# Altium PCB PCB1.PcbDoc (part 4 of 5) (continued)
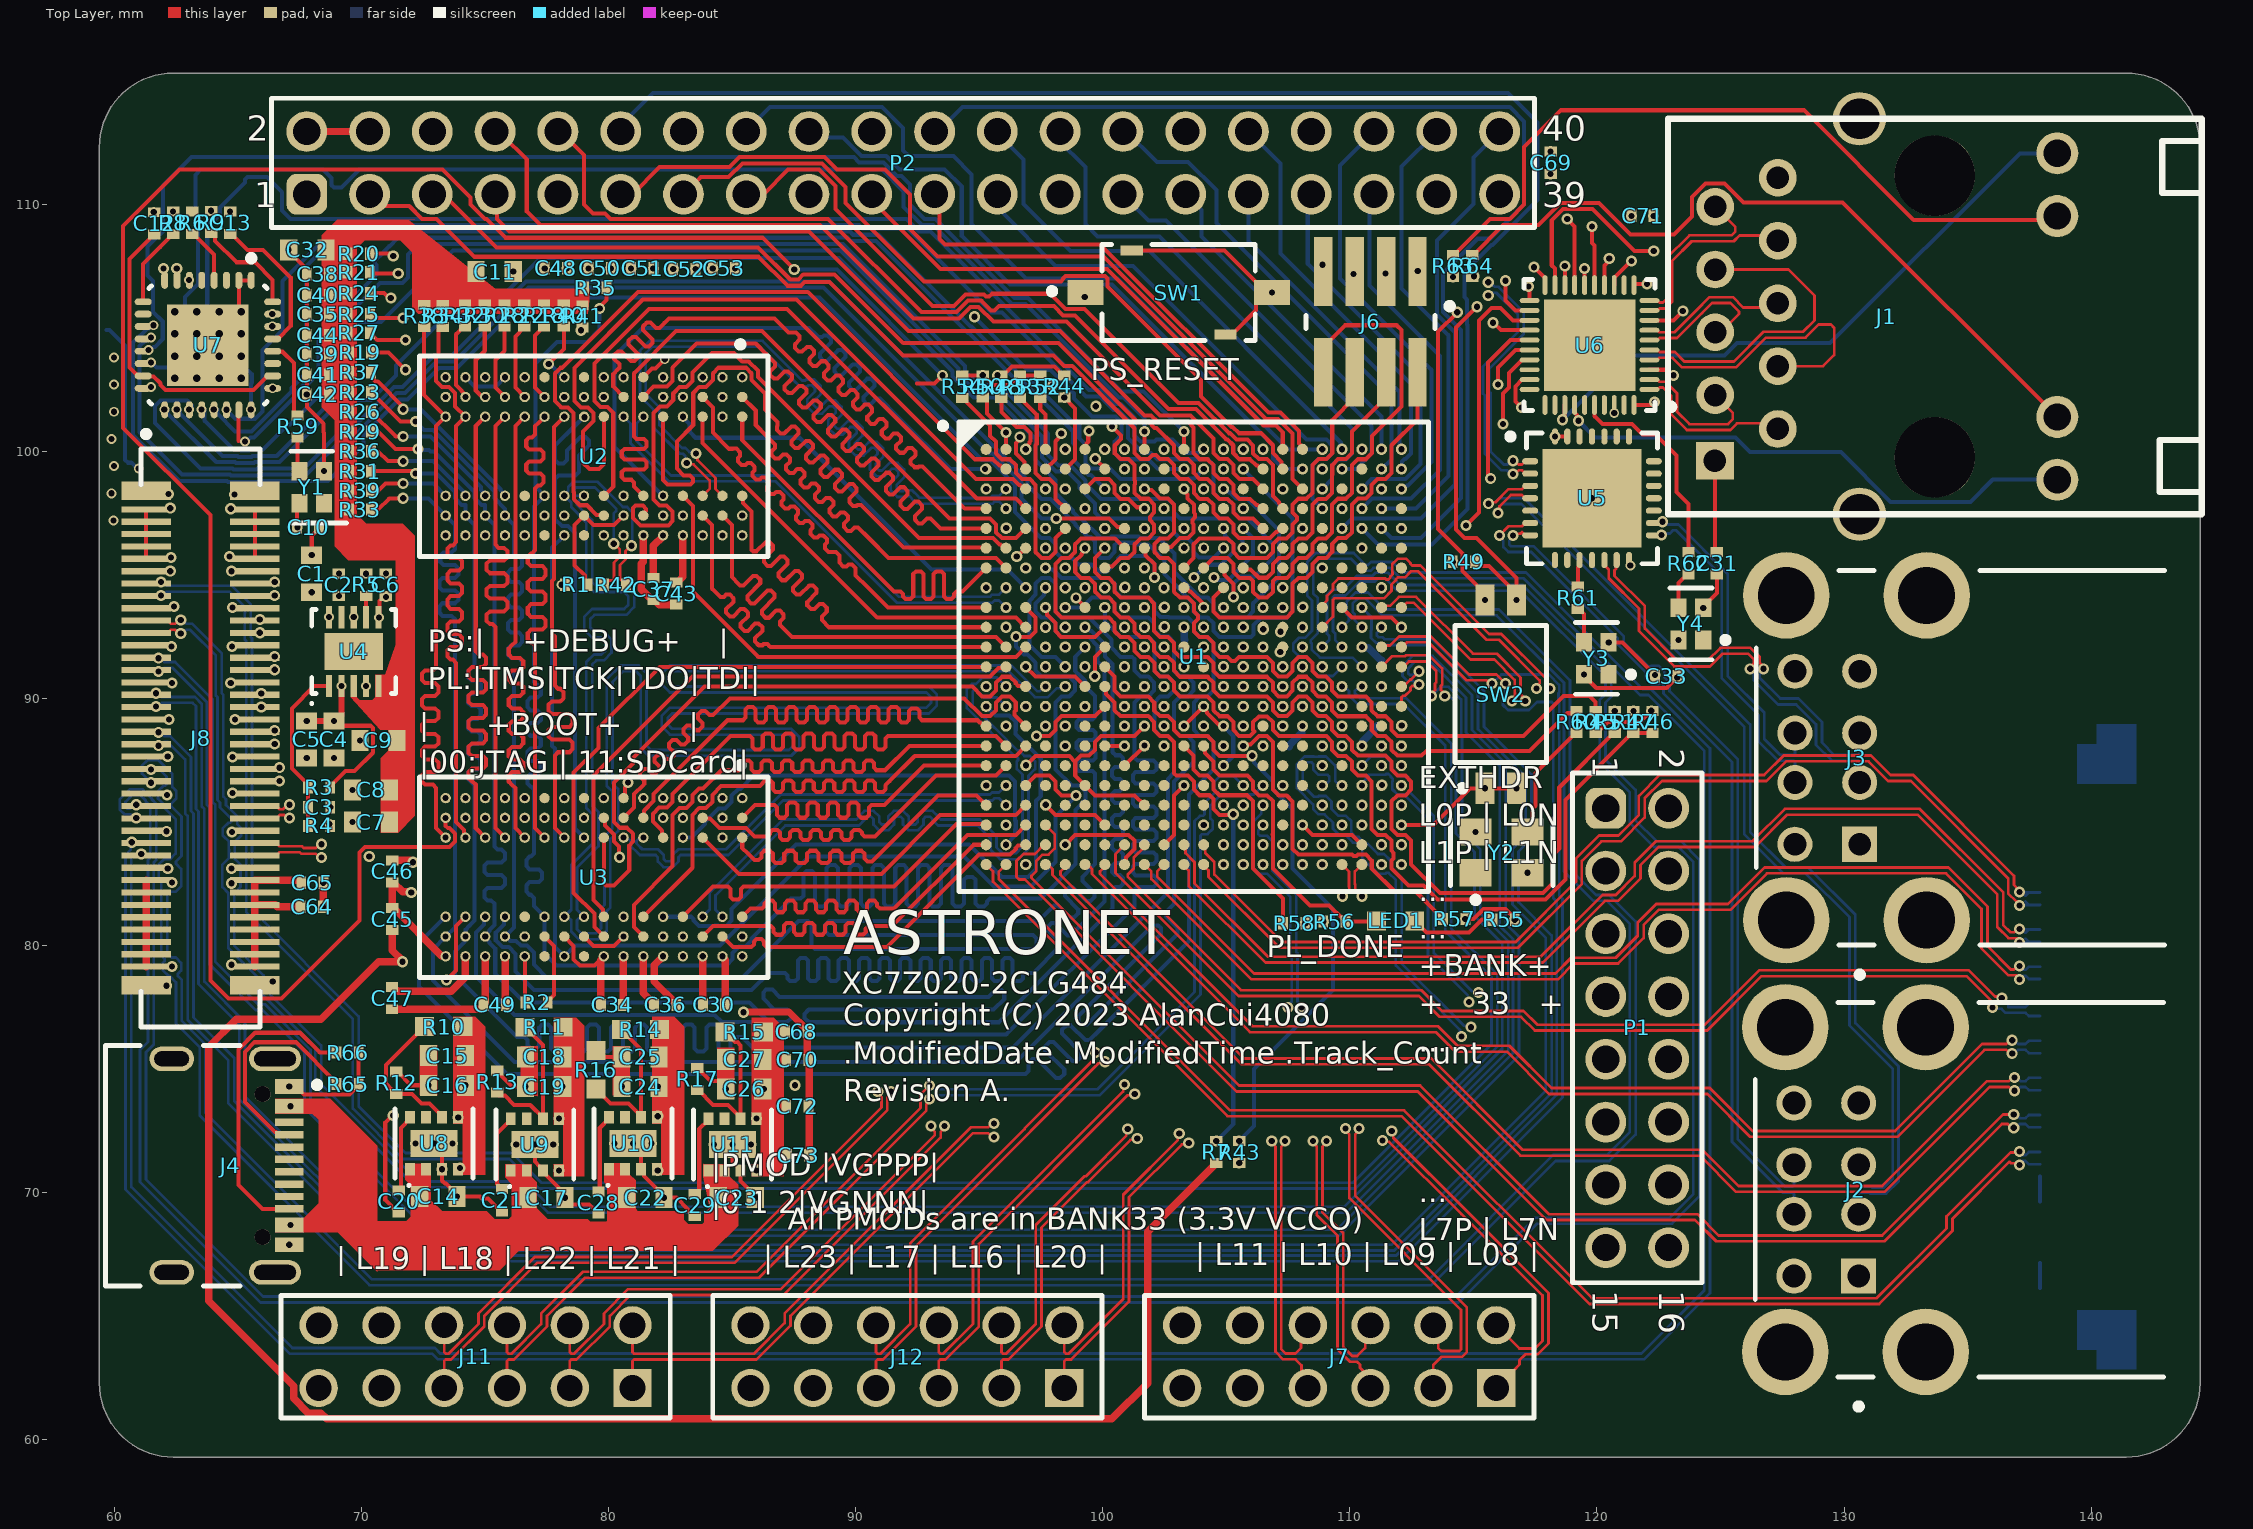
[diagram p0: Top Layer view]
## Nets (pads, with @x,y where several pads share a name; then routed paths per layer and width w, separated by ;. In a path a pad name is that pad's centre, name@x,y a point inside that pad or via, vN(x,y) a via of type N, cw(c..) or ccw(c..) an arc to the next point about the centre after c; other vN are vias at no path point) (continued)
  Top Layer w0.11: U1.AB1@95.288,83.281 95.563,83.006 95.563,82.587 105.05,73.1 112.1,73.1 119.7,65.5 131.42,65.5 134.384,68.464 134.384,68.949 136.693,71.259 136.757,71.195 137.035,71.195 v1(137.1,71.13)
  Bottom Layer w0.11: v1(137.1,71.13) 137.1,71.202 137.18,71.282 137.343,71.282 137.475,71.15 J5.30@137.925,71.15
LVDS_L7_P: J5.29 U1.AB2 | length 52.8
  Top Layer w0.11: U1.AB2@96.088,83.281 95.8,82.993 95.8,82.685 105.148,73.337 112.198,73.337 119.798,65.737 131.322,65.737 134.147,68.562 134.147,69.047 136.732,71.632 137.062,71.632 v1(137.1,71.67)
  Bottom Layer w0.11: v1(137.1,71.67) 137.1,71.598 137.18,71.518 137.343,71.518 137.475,71.65 J5.29@137.925,71.65
LVDS_LED_GND: J5.31 J5.32 J5.33 | length 1
  Bottom Layer w0.164: J5.33@137.925,69.65 J5.32@137.925,70.15 J5.31@137.925,70.65
LVDS_LED_VCC: J5.38 J5.39 J5.40 | length 1
  Bottom Layer w0.164: J5.40@137.925,66.15 J5.39@137.925,66.65 J5.38@137.925,67.15
LVDS_RESERVED: J5.5
LVDS_VCC_EDID: J5.4
NetC3_2: C3.2 R3.2 R4.1 U4.1 | length 6.9
  Top Layer w0.164: R4.1@67.85,84.84 C3.2@67.85,85.6 67.85,86.518 67.199,87.17 67.199,89.599 68.1,90.5 U4.1@68.7,90.5
NetC12_1: C12.1 U7.15 U7.26 | length 12.3
  Top Layer w0.164: C12.1@61.625,108.775 61.575,108.775 61.457,108.657 61.457,108.607 60.626,107.776 60.626,103.399 60.937,103.088 61.142,103.088 U7.15@61.18,103.05 61.202,103.028 61.598,103.028 61.872,102.754 61.872,102.685 62.079,102.478 65.643,102.478 66.215,103.05 U7.26@66.42,103.05
NetC13_1: C13.1 U7.29 | length 6.1
  Top Layer w0.164: C13.1@64.709,108.8 64.759,108.8 65.405,108.153 66.022,108.153 67.15,107.025 67.15,105.075 66.625,104.55 U7.29@66.42,104.55
NetC20_2: C20.2 U8.8 | length 3.1
  Top Layer w0.164: C20.2@71.525,70.1 71.603,70.178 71.603,72.628 71.975,73 U8.8@71.975,73.05
NetC21_2: C21.2 U9.8 | length 3.2
  Top Layer w0.164: C21.2@75.7,70.15 75.65,70.15 75.532,70.268 75.532,70.332 75.5,70.364 75.5,72.4 76.05,72.95 U9.8@76.05,73
NetC28_2: C28.2 U10.8 | length 3.1
  Top Layer w0.164: C28.2@79.575,70.1 79.653,70.178 79.653,72.628 80.025,73 U10.8@80.025,73.05
NetC29_2: C29.2 U11.8 | length 3.1
  Top Layer w0.164: C29.2@83.6,70.05 83.678,70.128 83.678,72.578 84.05,72.95 U11.8@84.05,73
NetC31_1: C31.1 J1.P1 | length 3.7
  Top Layer w0.164: J1.P1@124.775,99.622 124.775,95.995 C31.1@124.85,95.92
NetJ1_12: J1.12 R64.1 | length 30.3
  Top Layer w0.164: R64.1@114.95,107.95 115,107.95 116.199,109.149 117.63,109.149 118.531,110.05 120.075,110.05 121.35,108.775 123.115,108.775 123.849,109.508 123.849,110.281 124.395,110.828 125.168,110.828 125.923,110.073 129.942,110.073 J1.12@138.625,101.391
NetJ1_13: J1.13 R63.1 | length 30.1
  Top Layer w0.164: R63.1@114.175,107.95 114.225,107.95 115.679,109.404 116.472,109.404 117.056,109.988 117.056,112.306 118.55,113.8 128.375,113.8 132.817,109.358 138.463,109.358 J1.13@138.625,109.519
NetJ4_A5: J4.A5 R65.1 | length 9
  Top Layer w0.164: J4.A5@67.09,72.35 66.665,72.35 66.554,72.461 66.512,72.461 65.294,73.679 65.294,75.698 65.687,76.091 67.359,76.091 69,74.45 R65.1@69,74.4
NetJ4_B5: J4.B5 R66.1 | length 12.5
  Top Layer w0.164: J4.B5@67.09,69.35 66,69.35 65.041,70.309 65.041,75.803 65.714,76.475 67.525,76.475 68.325,75.675 R66.1@69,75.675
NetLED1_1: LED1.1 R55.2 | length 3.6
  Top Layer w0.164: LED1.1@112.629,81.002 113.104,80.527 114.82,80.527 115.343,81.05 R55.2@115.775,81.05
NetLED1_2: LED1.2 R56.1 U1.T12 | length 12.1
  Top Layer w0.164: U1.T12@104.088,88.081 104.143,88.027 104.143,87.788 104.485,87.446 104.485,87.123 104.73,86.878 105.852,86.878 106.088,86.643 106.088,86.32 106.325,86.083 106.648,86.083 106.885,85.846 106.885,84.51 106.875,84.5 106.891,84.484 106.891,83.117 108.383,81.625 109.155,81.625 109.459,81.321 109.479,81.321 109.657,81.143 109.707,81.143 109.825,81.025 R56.1@109.825,80.975 111.048,80.975 LED1.2@111.075,81.002
NetR1_1: R1.1 U2.L8 | length 3.1
  SIG_PWR w0.164: v2(77.418,97.4) 77.442,97.376 77.442,96.85 78.1,96.192 v2(78.1,94.6)
NetR2_1: R2.1 U3.L8 | length 2.9
  Top Layer w0.164: U3.L8@77.418,80.369 77.8,79.987 77.8,78 77.55,77.75 R2.1@77.55,77.7
NetR5_1: R5.1 U4.7 | length 0.9
  Top Layer w0.164: U4.7@70.2,93.29 R5.1@70.2,94.15
NetR6_1: R6.1 U7.4 | length 2.3
  Top Layer w0.164: R6.1@63.159,108.8 63.209,108.8 64.05,107.959 U7.4@64.05,106.92
NetR7_1: R7.1 U1.N7 | length 22.5
  Top Layer w0.164: U1.N7@100.088,90.481 100.143,90.426 100.143,90.188 100.485,89.846 100.485,89.523 100.724,89.284 101.846,89.284 102.085,89.046 102.085,88.723 102.324,88.484 102.647,88.484 102.885,88.245 102.885,87.923 102.885,86.974 102.981,86.878 103.452,86.878 103.691,86.64 103.691,86.317 103.924,86.084 104.324,86.084 104.485,85.924 104.485,85.523 104.724,85.284 105.254,85.284 v1(105.285,85.316)
  Bottom Layer w0.164: v1(104.6,72.1) 105.285,72.785 v1(105.285,85.316)
NetR8_1: R8.1 U7.9 | length 3.4
  Top Layer w0.164: U7.9@61.1,106.104 61.154,106.05 U7.9@61.18,106.05 61.18,107.58 61.85,108.25 ; 61.85,108.251 62.231,108.632 62.231,108.682 62.349,108.8 R8.1@62.399,108.8
NetR9_2: R9.2 U7.32 | length 4.3
  Top Layer w0.164: R9.2@63.934,108.825 63.971,108.825 64.089,108.707 64.089,108.511 64.95,107.65 65.7,107.65 66.42,106.93 U7.32@66.42,106.05
NetR10_2: R10.2 R12.1 U8.6 | length 6
  Top Layer w0.164: R10.2@72.748,76.75 72.449,76.451 72.283,76.451 71.003,75.171 71.003,74.422 71.257,74.168 71.257,74.118 71.375,74 R12.1@71.425,74 72.057,74 72.448,73.609 72.766,73.609 73.275,73.1 U8.6@73.275,73.05
NetR11_2: R11.2 R13.1 U9.6 | length 6.2
  Top Layer w0.164: R13.1@75.55,73.95 75.568,73.932 75.818,73.932 76.191,73.559 76.841,73.559 U9.6@77.35,73.05 ; R11.2@76.623,76.7 77.35,75.973 U9.6@77.35,73.05 ; U9.6@77.35,73 U9.6@77.35,73.05
NetR14_2: R14.2 R16.1 U10.6 | length 6.2
  Top Layer w0.164: R16.1@79.5,74.2 80.091,73.609 80.816,73.609 U10.6@81.325,73.1 ; R14.2@80.523,76.6 81.325,75.798 U10.6@81.325,73.1 ; U10.6@81.325,73.05 U10.6@81.325,73.1
NetR15_2: R15.2 R17.1 U11.6 | length 6
  Top Layer w0.164: R17.1@83.6,74.15 83.65,74.15 84.241,73.559 84.841,73.559 85.35,73.05 85.35,75.968 85.221,76.097 85.126,76.097 R15.2@84.723,76.5
NetR43_1: R43.1 U1.M7 | length 26.9
  Top Layer w0.164: U1.M7@100.088,91.281 100.485,90.884 100.485,90.323 100.724,90.084 101.846,90.084 102.088,89.843 102.088,89.52 102.325,89.283 102.648,89.283 102.891,89.04 102.891,88.717 103.124,88.484 103.78,88.484 103.787,88.477 103.923,88.477 ; 103.924,88.478 104.252,88.478 104.491,88.24 104.491,87.917 104.727,87.681 v1(106.051,87.681)
  Bottom Layer w0.164: v1(105.525,72.1) 106.125,72.7 106.125,75 109.322,78.197 109.322,81.486 107.685,83.123 107.685,85.523 106.891,86.317 106.891,86.64 106.612,86.918 106.13,87.401 106.13,87.525 106.051,87.604 v1(106.051,87.681)
NetR44_2: R44.2 SW1.1 U1.B5 | length 7.7
  Top Layer w0.164: v1(98.45,102.175) 98.885,101.74 98.885,99.678 U1.B5@98.488,99.281
  Layer 4 w0.164: v1(98.45,102.175) 99.275,103 v1(99.275,106.25)
NetR45_2: R45.2 U1.C9 | length 29.5
  Top Layer w0.164: v1(101.688,98.481) 101.743,98.426 101.981,98.426 102.324,98.084 102.646,98.084 102.885,97.846 102.885,96.717 102.649,96.481 102.327,96.481 102.091,96.246 102.091,95.917 102.329,95.679 102.652,95.679 102.891,95.44 102.891,94.317 103.13,94.078 103.452,94.078 103.69,93.841 103.69,93.518 103.859,93.349 103.859,93.213 103.691,93.046 103.691,92.717 103.927,92.481 104.249,92.481 104.485,92.246 104.485,91.923 104.727,91.681 105.049,91.681 105.22,91.51 105.356,91.51 105.524,91.678 106.652,91.678 106.888,91.443 106.888,91.12 107.124,90.884 107.452,90.884 107.688,91.12 107.688,91.443 107.924,91.678 108.252,91.678 108.488,91.443 108.488,91.12 108.724,90.884 109.046,90.884 109.287,90.644 109.287,90.321 109.525,90.083 110.647,90.083 110.885,89.845 110.885,89.523 111.127,89.281 111.45,89.281 111.687,89.044 111.687,88.721 111.924,88.484 117.034,88.484 118.65,90.1 119.7,90.1 119.95,89.85 R45.2@119.95,89.497
NetR46_2: R46.2 R47.1 U1.F8 | length 43.7
  Top Layer w0.164: U1.F8@100.888,96.081 100.491,96.478 99.124,96.478 98.885,96.239 98.885,95.917 98.649,95.681 98.327,95.681 98.091,95.446 98.091,93.517 98.327,93.281 100.249,93.281 100.488,93.043 100.488,92.72 100.725,92.483 101.048,92.483 101.285,92.246 101.285,91.923 101.53,91.678 101.852,91.678 102.091,91.44 102.091,91.117 102.327,90.881 102.649,90.881 102.886,90.644 102.886,90.321 103.124,90.084 104.247,90.084 104.485,89.845 104.485,89.523 104.727,89.281 105.05,89.281 105.287,89.044 105.287,88.721 105.524,88.484 105.959,88.484 106.141,88.666 106.091,88.717 106.091,89.046 106.324,89.278 106.652,89.278 106.888,89.043 106.888,88.72 107.128,88.48 109.051,88.48 109.287,88.243 109.287,87.921 109.528,87.68 109.85,87.68 110.087,87.444 110.087,87.121 110.328,86.88 110.65,86.88 110.887,86.644 110.887,84.721 111.128,84.48 111.45,84.48 111.685,84.246 111.685,83.84 111.775,83.75 111.775,83.53 111.691,83.446 111.691,83.117 112.374,82.434 112.982,82.434 113.545,81.871 117.914,81.871 118.725,82.682 118.725,83.825 118.729,83.829 118.729,85.9 R47.1@121.425,88.597 ; R47.1@121.475,88.597 R47.1@121.425,88.597 ; R46.2@122.25,88.6 122.248,88.598 121.427,88.598 R47.1@121.425,88.597
NetR48_1: R48.1 SW2.4 U1.A3 | length 37.9
  Top Layer w0.164: R48.1@95.904,102.16 95.904,101.592 96.518,100.978 96.847,100.978 97.08,100.745 97.08,100.416 97.037,100.374 97.037,100.308 96.888,100.159 v1(96.888,100.081) ; v1(114.35,105.625) 113.575,104.85 113.575,96.85 114.564,95.861 114.564,95.151 115.475,94.241 v1(115.475,93.986)
  Layer 4 w0.164: v1(96.888,100.081) 96.917,100.081 98.887,102.051 98.887,102.172 104.883,108.167 112.444,108.167 113.524,107.087 113.524,106.451 v1(114.35,105.625)
NetR49_1: R49.1 SW2.3 U1.E4 | length 45
  Top Layer w0.164: R49.1@115.067,95.525 115.067,95.475 115.185,95.357 115.629,95.357 SW2.3@116.745,94.241 ; v1(115.15,105.85) 114.303,105.003 114.303,96.836 114.639,96.499 115.126,96.499 116.745,94.88 SW2.3@116.745,94.241 ; v1(116.745,93.986) SW2.3@116.745,94.241
  Layer 4 w0.164: v1(97.967,102.658) 98.525,103.217 98.525,106.425 100.521,108.421 112.549,108.421 113.778,107.192 113.778,106.886 114.268,106.395 114.605,106.395 v1(115.15,105.85)
  SIG_PWR w0.164: v1(97.688,96.881) 97.291,97.278 97.291,97.846 97.527,98.081 97.849,98.081 98.085,98.317 98.085,100.343 97.928,100.5 97.928,102.62 v1(97.967,102.658)
NetR50_1: R50.1 U1.A2 | length 2.5
  Top Layer w0.164: R50.1@95.15,102.175 95.2,102.175 95.318,102.057 95.318,101.526 v1(96.088,100.756) U1.A2@96.088,100.081
NetR51_1: R51.1 U1.F6 | length 39.1
  Top Layer w0.164: v1(99.288,96.081) 99.288,96.004 99.139,95.855 99.139,95.812 98.891,95.564 98.891,95.117 99.127,94.881 99.449,94.881 99.69,94.641 99.69,94.318 99.926,94.082 100.249,94.082 100.486,93.844 100.486,93.522 100.724,93.284 101.047,93.284 101.288,93.042 101.288,92.72 101.528,92.48 101.851,92.48 102.087,92.243 102.087,91.921 102.33,91.678 102.652,91.678 102.885,91.446 102.885,91.123 103.13,90.878 104.252,90.878 104.488,90.643 104.488,90.32 104.73,90.078 106.652,90.078 106.888,89.843 106.888,89.52 107.124,89.284 107.452,89.284 107.688,89.52 107.688,89.843 107.924,90.078 108.252,90.078 108.491,89.84 108.491,89.517 108.724,89.284 109.046,89.284 109.286,89.045 109.286,88.722 109.527,88.481 109.85,88.481 110.087,88.244 110.087,87.921 110.324,87.684 111.446,87.684 111.685,87.446 111.685,87.123 111.924,86.884 112.246,86.884 112.485,86.646 112.485,86.317 112.249,86.081 111.927,86.081 111.691,85.846 111.691,84.717 111.93,84.478 112.252,84.478 112.485,84.246 112.485,83.29 113.65,82.125 117.809,82.125 118.194,82.51 118.194,83.653 118.475,83.934 118.475,86.404 120.668,88.597 R51.1@120.718,88.597
NetR52_1: R52.1 U1.A4 | length 2.2
  Top Layer w0.164: R52.1@97.475,102.16 97.475,101.704 97.688,101.491 U1.A4@97.688,100.081
NetR53_1: R53.1 U1.D5 | length 5.5
  Top Layer w0.164: R53.1@96.659,102.16 96.709,102.16 96.827,102.042 96.827,101.992 97.334,101.486 97.334,100.288 97.291,100.246 97.291,99.117 97.53,98.878 97.852,98.878 98.091,98.64 98.091,98.078 U1.D5@98.488,97.681
NetR57_2: R57.2 U1.T14 | length 13.8
  Top Layer w0.164: v1(105.688,88.081) 105.743,88.136 105.981,88.136 106.324,88.478 106.652,88.478 106.891,88.24 106.891,86.317 107.127,86.081 107.449,86.081 107.691,85.84 107.691,83.917 107.93,83.678 110.097,83.678 110.142,83.633 110.278,83.633 110.324,83.678 110.652,83.678 110.888,83.443 110.888,83.12 111.828,82.18 112.67,82.18 113.607,81.243 113.657,81.243 113.775,81.125 R57.2@113.775,81.075
NetR58_2: R58.2 U1.T11 | length 9.7
  Top Layer w0.164: U1.T11@103.288,88.081 103.685,87.684 103.685,87.123 103.924,86.884 104.246,86.884 104.485,86.646 104.485,86.323 104.724,86.084 105.846,86.084 106.085,85.846 106.085,84.485 106.075,84.475 106.091,84.459 106.091,83.117 107.3,81.908 R58.2@107.3,80.9
NetR59_1: R59.1 U7.28 | length 3.3
  Top Layer w0.164: U7.28@66.42,104.05 66.441,104.029 66.821,104.029 67.275,103.575 67.275,101.574 67.393,101.456 R59.1@67.425,101.456
NetR59_2: R59.2 Y1.3 | length 1.4
  Top Layer w0.164: R59.2@67.425,100.556 67.425,99.277 Y1.3@67.5,99.202
NetR60_1: R60.1 U1.F7 | length 27.5
  Top Layer w0.164: v1(100.088,96.081) 99.691,95.684 99.691,95.117 99.93,94.878 100.252,94.878 100.489,94.642 100.489,94.319 100.726,94.082 101.848,94.082 102.086,93.844 102.086,92.722 102.33,92.478 102.652,92.478 102.885,92.246 102.885,91.923 103.13,91.678 104.252,91.678 104.488,91.443 104.488,91.12 104.73,90.878 106.652,90.878 106.888,90.643 106.888,90.32 107.124,90.084 107.452,90.084 107.688,90.32 107.688,90.643 107.924,90.878 108.252,90.878 108.491,90.64 108.491,90.317 108.724,90.084 109.046,90.084 109.287,89.843 109.287,89.521 109.528,89.28 110.651,89.28 110.888,89.043 110.888,88.72 111.124,88.484 111.452,88.484 111.688,88.249 111.688,87.92 111.924,87.684 112.9,87.684 113.095,87.879 117.279,87.879 118.803,89.403 119.078,89.403 R60.1@119.175,89.5
NetR60_2: R60.2 Y2.3 | length 4.8
  Top Layer w0.164: Y2.3@117.192,84.601 117.401,84.81 117.401,85.555 117.506,85.659 117.506,86.981 119.125,88.6 R60.2@119.175,88.6
NetR61_1: R61.1 U5.10 | length 1.1
  Top Layer w0.164: R61.1@119.225,94.525 119.225,95.302 119.3,95.377 U5.10@119.3,95.6
NetR61_2: R61.2 Y3.3 | length 1.5
  Top Layer w0.164: R61.2@119.225,93.625 119.275,93.625 119.475,93.425 Y3.3@119.475,92.271
NetR62_1: R62.1 Y4.3 | length 1.6
  Top Layer w0.164: Y4.3@123.3,93.666 123.3,94.668 123.653,95.02 R62.1@123.703,95.02
NetR62_2: R62.2 U6.36 | length 8.5
  Top Layer w0.164: U6.36@119.9,101.875 119.906,101.869 119.906,101.419 120.228,101.097 120.677,101.097 121.423,101.097 121.845,100.675 122.375,100.675 123.225,99.825 123.225,98.35 123.703,97.872 R62.2@123.703,95.92
PL_TCK: J6.6 U1.G11 | length 14.4
  Top Layer w0.164: U1.G11@103.288,95.281 103.685,95.678 103.685,96.239 103.924,96.478 105.052,96.478 105.288,96.243 105.288,95.92 105.524,95.684 106.652,95.684 106.888,95.92 106.888,96.243 107.124,96.478 107.446,96.478 107.685,96.717 107.685,97.039 107.859,97.213 107.859,97.349 107.691,97.517 107.691,97.846 107.927,98.081 108.249,98.081 108.485,98.317 108.485,99.11 108.486,99.111 108.486,99.386 108.491,99.391 108.491,99.446 108.73,99.684 109.052,99.684 109.291,99.923 109.291,101.266 110.2,102.175 J6.6@110.2,103.2
PL_TDI: J6.2 U1.H13 | length 17.2
  Top Layer w0.164: U1.H13@104.888,94.481 104.491,94.084 104.491,93.517 104.724,93.284 107.452,93.284 107.69,93.522 107.69,94.645 107.928,94.883 108.251,94.883 108.488,95.12 108.488,95.442 108.729,95.684 109.052,95.684 109.29,95.922 109.29,96.245 109.53,96.484 109.852,96.484 110.085,96.717 110.085,97.839 110.33,98.084 110.652,98.084 110.885,98.317 110.885,98.639 111.13,98.884 111.452,98.884 111.691,99.123 111.691,100.246 112.74,101.295 J6.2@112.74,103.2
PL_TDO: J6.4 U1.G14 | length 12.2
  Top Layer w0.164: U1.G14@105.688,95.281 105.743,95.226 105.981,95.226 106.324,94.884 106.652,94.884 106.891,95.123 106.891,95.446 107.127,95.681 107.449,95.681 107.686,95.918 107.686,96.241 107.924,96.479 108.247,96.479 108.485,96.717 108.485,97.839 108.724,98.078 109.046,98.078 109.285,98.317 109.285,99.063 109.291,99.069 109.291,99.446 109.53,99.684 109.852,99.684 110.091,99.923 110.091,100.796 111.47,102.175 J6.4@111.47,103.2
PL_TMS: J6.8 U1.G12 | length 22.6
  Top Layer w0.164: U1.G12@104.088,95.281 104.485,95.678 105.052,95.678 105.289,95.441 105.289,95.119 105.529,94.879 105.97,94.879 106.091,94.758 106.091,94.317 106.324,94.084 106.652,94.084 106.885,94.317 106.885,94.758 107.006,94.879 107.453,94.879 107.691,95.117 107.691,95.446 107.927,95.682 108.25,95.682 108.487,95.919 108.487,96.241 108.724,96.478 109.046,96.478 109.285,96.717 109.285,97.839 109.527,98.081 109.849,98.081 110.085,98.317 110.085,99.117 110.088,99.12 110.088,99.443 110.325,99.68 110.648,99.68 110.891,99.923 110.891,100.613 112.1,101.822 112.1,104.9 111.9,105.1 109.805,105.1 108.93,104.225 J6.8@108.93,103.2
PMOD_L0_N: P1.2 U1.U21 | length 15.3
  Layer 4 w0.11: v1(111.288,87.281) 111.353,87.346 111.353,87.623 111.658,87.928 111.658,87.991 111.718,88.051 111.718,88.235 112.013,88.53 112.253,88.53 112.41,88.687 112.501,88.687 112.525,88.663 114.971,88.663 119.471,84.163 121.198,84.163 121.837,84.802 121.837,85.337 121.974,85.474 122.814,85.474 P1.2@122.9,85.56
PMOD_L0_P: P1.1 U1.T21 | length 15.1
  Layer 4 w0.11: v1(111.288,88.081) 111.288,88.123 111.481,88.316 111.481,88.333 111.767,88.619 111.767,88.71 111.73,88.747 111.73,89.053 111.947,89.27 112.253,89.27 112.47,89.053 112.47,89.034 112.58,88.924 112.599,88.924 112.623,88.9 115.069,88.9 119.569,84.4 121.1,84.4 121.6,84.9 121.6,85.3 121.34,85.56 P1.1@120.36,85.56
PMOD_L1_N: P1.4 U1.U22 | length 15.1
  Layer 4 w0.11: v1(112.088,87.281) 112.369,87.563 114.801,87.563 115.845,86.519 115.845,86.407 116.651,85.601 116.651,84.35 119.339,81.663 121.298,81.663 121.737,82.102 121.737,82.7 121.932,82.895 122.775,82.895 P1.4@122.9,83.02
PMOD_L1_P: P1.3 U1.T22 | length 14.7
  Layer 4 w0.11: v1(112.088,88.081) 112.369,87.8 114.899,87.8 116.082,86.617 116.082,86.505 116.888,85.699 116.888,84.449 119.437,81.9 121.2,81.9 121.5,82.2 121.5,82.7 121.328,82.872 120.508,82.872 P1.3@120.36,83.02
PMOD_L2_N: P1.6 U1.W22 | length 16.3
  Layer 4 w0.11: v1(112.088,85.681) 112.369,85.963 114.254,85.963 116.585,83.632 116.585,81.663 117.314,80.934 117.314,80.24 118.491,79.063 121.398,79.063 121.637,79.302 121.637,79.9 121.932,80.195 122.615,80.195 P1.6@122.9,80.48
PMOD_L2_P: P1.5 U1.V22 | length 15.7
  Layer 4 w0.11: v1(112.088,86.481) 112.369,86.2 114.352,86.2 116.822,83.73 116.822,81.761 117.551,81.032 117.551,80.338 118.59,79.3 121.3,79.3 121.4,79.4 121.4,79.9 121.27,80.03 121.227,80.03 120.777,80.48 P1.5@120.36,80.48
PMOD_L3_N: P1.8 U1.W21 | length 18.6
  Layer 4 w0.11: v1(111.288,85.681) 111.288,85.623 111.658,85.253 111.658,84.788 111.946,84.5 112.65,84.5 112.75,84.4 114,84.4 115.153,83.247 115.153,79.97 118.56,76.563 121.398,76.563 121.737,76.902 121.737,77.6 121.932,77.795 122.755,77.795 P1.8@122.9,77.94
PMOD_L3_P: P1.7 U1.W20 | length 19
  Layer 4 w0.11: v1(110.488,85.681) 110.858,86.051 111.441,86.051 111.688,85.805 111.688,85.558 111.995,85.251 112.249,85.251 112.863,84.637 114.098,84.637 115.39,83.345 115.39,80.068 118.658,76.8 121.3,76.8 121.5,77 121.5,77.6 121.328,77.772 120.528,77.772 P1.7@120.36,77.94
PMOD_L4_N: P1.10 U1.V20 | length 22.1
  Top Layer w0.11: v1@114.767,77.784 v1(114.825,77.725)
  Layer 4 w0.11: v1(114.825,77.725) 114.884,77.667 115.171,77.667 118.838,74 121.347,74 121.748,74.402 121.748,74.5 122.648,75.4 P1.10@122.9,75.4
  Bottom Layer w0.11: v1(110.488,86.481) 110.488,86.573 110.647,86.733 110.647,86.798 110.761,86.911 111.441,86.911 111.475,86.945 111.566,86.945 111.671,86.84 111.671,86.817 111.741,86.748 111.741,86.657 111.718,86.634 111.718,86.328 111.935,86.111 112.189,86.111 113.163,85.137 113.163,79.602 114.767,77.998
PMOD_L4_P: P1.9 U1.U20 | length 21.9
  Top Layer w0.11: v1@115.149,78.166 v1(115.207,78.107)
  Layer 4 w0.11: v1(115.207,78.107) 115.272,78.042 115.272,77.901 118.936,74.237 121.248,74.237 121.466,74.454 121.466,74.546 120.612,75.4 P1.9@120.36,75.4
  Bottom Layer w0.11: v1(110.488,87.281) 110.858,87.651 111.441,87.651 111.658,87.434 111.658,87.188 111.908,86.938 111.908,86.915 111.972,86.851 112.241,86.851 112.458,86.634 112.458,86.328 112.452,86.322 112.452,86.183 113.4,85.235 113.4,79.7 114.934,78.166
PMOD_L5_N: P1.12 U1.V19 | length 28.5
  Layer 4 w0.11: v1(114.518,76.318) 114.577,76.26 114.791,76.26 116.896,74.154 116.896,73.769 119.208,71.457 121.204,71.457 121.703,71.956 121.703,72.054 122.508,72.86 P1.12@122.9,72.86
  Bottom Layer w0.11: v1(109.688,86.481) 109.596,86.481 109.482,86.595 109.471,86.595 109.406,86.66 109.406,87.286 109.041,87.651 108.735,87.651 108.721,87.637 108.566,87.637 108.552,87.651 108.174,87.651 107.863,87.34 107.863,86.371 108.518,85.716 108.518,85.528 108.735,85.311 108.981,85.311 109.318,84.974 109.318,84.728 109.595,84.451 109.841,84.451 110.125,84.167 110.253,84.167 110.5,83.92 110.5,83.546 111.135,82.911 111.441,82.911 111.475,82.945 111.566,82.945 111.863,82.648 111.863,79.187 114.46,76.591 114.46,76.377 v1(114.518,76.318)
PMOD_L5_P: P1.11 U1.V18 | length 26.9
  Layer 4 w0.11: v1(114.9,76.7) 114.959,76.641 114.959,76.427 117.133,74.253 117.133,73.867 119.306,71.694 121.106,71.694 121.466,72.054 121.466,72.146 120.752,72.86 P1.11@120.36,72.86
  Bottom Layer w0.11: v1(108.888,86.481) 108.98,86.481 109.094,86.595 109.105,86.595 109.17,86.66 109.17,86.847 109.105,86.911 108.735,86.911 108.518,87.128 108.518,87.35 108.454,87.414 108.272,87.414 108.1,87.242 108.1,86.469 108.542,86.027 108.711,86.027 108.735,86.051 109.041,86.051 109.258,85.834 109.258,85.528 109.535,85.251 109.841,85.251 110.058,85.034 110.058,84.569 110.223,84.404 110.351,84.404 110.645,84.109 110.737,84.109 111.135,83.711 111.381,83.711 111.658,83.434 111.658,83.188 112.1,82.746 112.1,79.286 114.627,76.759 114.841,76.759 v1(114.9,76.7)
PMOD_L6_N: P1.14 U1.AB22 | length 21.9
  Layer 4 w0.11: v1(112.088,83.281) 112.088,83.373 112.202,83.488 112.202,83.498 112.267,83.563 112.358,83.563 113.463,82.458 113.463,75.237 119.563,69.137 121.272,69.137 121.737,69.602 121.737,70 121.932,70.195 122.775,70.195 P1.14@122.9,70.32
PMOD_L6_P: P1.13 U1.AA22 | length 21.5
  Layer 4 w0.11: v1(112.088,84.081) 112.088,83.989 112.202,83.875 112.202,83.864 112.267,83.8 112.456,83.8 113.7,82.556 113.7,75.335 119.661,69.374 121.174,69.374 121.5,69.7 121.5,70 121.328,70.172 120.508,70.172 P1.13@120.36,70.32
PMOD_L7_N: P1.16 U1.AB21 | length 22.4
  Layer 4 w0.11: v1(111.288,83.281) 111.319,83.25 111.319,82.979 112,82.298 112,75.835 118.898,68.937 121.11,68.937 121.748,68.298 121.748,68.2 121.932,68.016 122.664,68.016 P1.16@122.9,67.78 P1.16@122.506,67.78
PMOD_L7_P: P1.15 U1.AA21 | length 23.5
  Layer 4 w0.11: v1@111.353,84.016 v1(111.288,84.081) 110.918,83.711 110.918,83.045 111.763,82.2 111.763,75.737 118.8,68.7 121.012,68.7 121.511,68.2 121.328,68.017 120.597,68.017 P1.15@120.36,67.78 P1.15@120.754,67.78
PMOD_L8_N: J7.1 U1.Y21 | length 27.4
  Top Layer w0.11: v1(111.7,72.5) 111.759,72.441 111.759,72.227 114.751,69.234 118.037,65.949 118.037,63.902 117.598,63.463 117.1,63.463 116.87,63.233 116.87,63.05 J7.1@116.64,62.82
  Layer 4 w0.11: v1(111.288,84.881) 111.006,84.6 111.006,84.323 110.7,84.017 110.7,82.8 111.107,82.393 111.107,81.501 111.006,81.4 111.006,72.979 111.427,72.559 111.641,72.559 v1(111.7,72.5) ; J7.1@115.92,62.1 J7.1@116.64,62.82
PMOD_L8_P: J7.2 U1.Y20 | length 26.8
  Top Layer w0.11: v1(111.318,72.118) 111.377,72.06 111.591,72.06 114.515,69.136 117.8,65.851 117.8,64 117.5,63.7 116.86,63.7 J7.2@115.92,64.64
  Layer 4 w0.11: v1(110.488,84.881) 110.769,84.6 110.769,84.421 110.463,84.115 110.463,82.702 110.87,82.295 110.87,81.599 110.769,81.498 110.769,72.881 111.26,72.391 111.26,72.177 v1(111.318,72.118)
PMOD_L9_N: J7.3 U1.AB20 | length 24.7
  Top Layer w0.11: v1(110.37,72.6) 110.37,72.517 110.218,72.366 110.218,69.882 114.737,65.363 114.737,63.566 114.534,63.363 113.7,63.363 113.38,63.043 113.38,62.25 J7.3@113.455,62.175 ; U1.AB20@110.488,83.281 110.206,83 110.206,82.486 110.218,82.474 110.218,82.282 110.408,82.092 110.408,82 v1(110.5,82)
  Layer 4 w0.11: v1(110.37,72.6) 110.37,72.683 110.218,72.834 110.218,78.951 110.218,81.719 v1(110.5,82) ; J7.3@113.38,62.1 J7.3@113.455,62.175
PMOD_L9_P: J7.4 U1.AB19 | length 24
  Top Layer w0.11: U1.AB19@109.688,83.281 109.97,83 109.97,82.387 109.982,82.375 109.982,82.282 v1(109.7,82) ; v1(109.83,72.6) 109.83,72.517 109.982,72.366 109.982,69.784 114.5,65.265 114.5,63.664 114.436,63.6 113.7,63.6 113.578,63.722 113.578,64.442 J7.4@113.38,64.64
  Layer 4 w0.11: v1(109.7,82) 109.981,81.719 109.981,79.05 109.981,72.834 109.83,72.683 v1(109.83,72.6)
PMOD_L10_N: J7.5 U1.AA19 | length 24.7
  Top Layer w0.11: v1(108.512,72.1) 108.512,72.017 108.663,71.866 108.663,69.102 109.5,68.265 109.5,63.665 110.002,63.163 110.3,63.163 110.409,63.054 110.409,62.921 110.745,62.585 J7.5@110.745,62.195
  Layer 4 w0.11: v1(108.512,72.1) 108.563,72.1 108.663,72.2 108.663,74.698 109.495,75.53 109.495,81.211 109.093,81.613 109.093,82.293 110.026,83.226 110.026,84.295 109.958,84.363 109.867,84.363 109.802,84.298 109.802,84.288 109.688,84.173 v1(109.688,84.081)
PMOD_L10_P: J7.6 U1.Y19 | length 25
  Top Layer w0.11: v1(109.052,72.1) 109.052,72.017 108.9,71.866 108.9,69.2 109.737,68.363 109.737,63.763 110.1,63.4 110.3,63.4 110.622,63.722 110.622,64.422 J7.6@110.84,64.64
  Layer 4 w0.11: v1(109.052,72.1) 109,72.1 108.9,72.2 108.9,74.6 109.732,75.432 109.732,81.309 109.33,81.711 109.33,82.195 110.263,83.128 110.263,84.393 110.056,84.6 109.867,84.6 109.802,84.664 109.802,84.675 109.688,84.789 v1(109.688,84.881)
PMOD_L11_N: J7.7 U1.AA18 | length 25
  Top Layer w0.11: v1(106.844,72.1) 106.844,72.017 106.996,71.866 106.996,63.57 107.302,63.263 107.8,63.263 108.046,63.018 108.046,62.354 J7.7@108.3,62.1
  Layer 4 w0.11: v1(106.844,72.1) 106.844,72.183 106.995,72.334 106.995,74.531 108.669,76.205 108.669,78.37 107.593,79.447 107.593,81.151 107.949,81.507 107.949,81.767 108.938,82.756 108.938,82.847 108.873,82.911 108.735,82.911 108.518,83.128 108.518,83.711 v1(108.888,84.081)
PMOD_L11_P: J7.8 U1.Y18 | length 25.2
  Top Layer w0.11: v1(107.384,72.1) 107.384,72.017 107.232,71.866 107.232,63.668 107.4,63.5 107.8,63.5 108.024,63.724 108.024,64.364 J7.8@108.3,64.64
  Layer 4 w0.11: v1(107.384,72.1) 107.384,72.183 107.232,72.334 107.232,74.432 108.906,76.106 108.906,78.469 107.83,79.545 107.83,81.053 108.186,81.409 108.186,81.668 109.258,82.741 109.258,84.511 v1(108.888,84.881)
PMOD_L12_N: U1.W18
  other v1: 108.888,85.681
PMOD_L12_P: U1.W17
PMOD_L13_N: U1.Y16
PMOD_L13_P: U1.W16
PMOD_L14_N: U1.U16
PMOD_L14_P: U1.U15
PMOD_L15_N: U1.V17
PMOD_L15_P: U1.U17
PMOD_L16_N: J12.3 U1.AB17 | length 26.5
  Top Layer w0.11: J12.3@95.91,62.1 95.91,63.187 95.974,63.252 96.185,63.252 97.53,64.597 97.53,68.595 99.366,70.431 99.416,70.431 101.127,72.141 101.341,72.141 v1(101.4,72.2)
  Layer 4 w0.11: v1(101.4,72.2) 101.459,72.259 101.459,72.473 107.325,78.339 107.325,82.46 107.895,83.03 107.895,83.047 108.088,83.24 v1(108.088,83.281)
PMOD_L16_P: J12.4 U1.AA17 | length 27
  Top Layer w0.11: J12.4@95.91,64.64 95.91,63.553 95.974,63.488 96.087,63.488 97.293,64.695 97.293,68.693 99.268,70.668 99.318,70.668 100.96,72.309 100.96,72.523 v1(101.018,72.582)
  Layer 4 w0.11: v1(101.018,72.582) 101.077,72.64 101.291,72.64 107.088,78.437 107.088,82.558 107.658,83.128 107.658,83.375 108.023,83.739 108.023,84.016 v1(108.088,84.081)
PMOD_L17_N: J12.5 U1.AB16 | length 27.2
  Top Layer w0.11: J12.5@93.37,62.1 93.37,63.187 93.434,63.252 93.645,63.252 94.99,64.597 94.99,67.924 101.017,73.951 101.251,73.951 v1(101.3,74)
  Layer 4 w0.11: v1(101.3,74) 101.349,74.049 101.349,74.283 106.649,79.582 106.649,82.55 107.288,83.189 v1(107.288,83.281)
PMOD_L17_P: J12.6 U1.AA16 | length 27.8
  Top Layer w0.11: J12.6@93.37,64.64 93.37,63.553 93.434,63.488 93.547,63.488 94.753,64.695 94.753,68.022 100.831,74.1 100.831,74.333 v1(100.88,74.382)
  Layer 4 w0.11: v1(100.88,74.382) 100.929,74.431 101.163,74.431 106.412,79.681 106.412,82.564 106.412,82.682 106.858,83.128 106.858,83.375 106.995,83.511 106.995,83.634 106.918,83.711 v1(107.288,84.081)
PMOD_L18_N: J11.5 U1.V15 | length 46.2
  Top Layer w0.11: J11.5@75.9,62.1 75.9,63.187 75.964,63.252 76.175,63.252 77.52,64.597 77.52,65.021 79.062,66.563 86.098,66.563 92.867,73.332 92.867,73.575 93,73.708 v1(93,73.8)
  Bottom Layer w0.11: v1(93,73.8) 93.083,73.8 93.234,73.952 99.886,73.952 103.957,78.022 103.957,84.447 104.021,84.511 104.241,84.511 104.458,84.728 104.458,85.034 104.356,85.136 104.356,85.674 104.794,86.111 106.118,86.111 v1(106.488,86.481)